# KiCad board data-center-rdimm-ddr5-tester.kicad_pcb (continued)
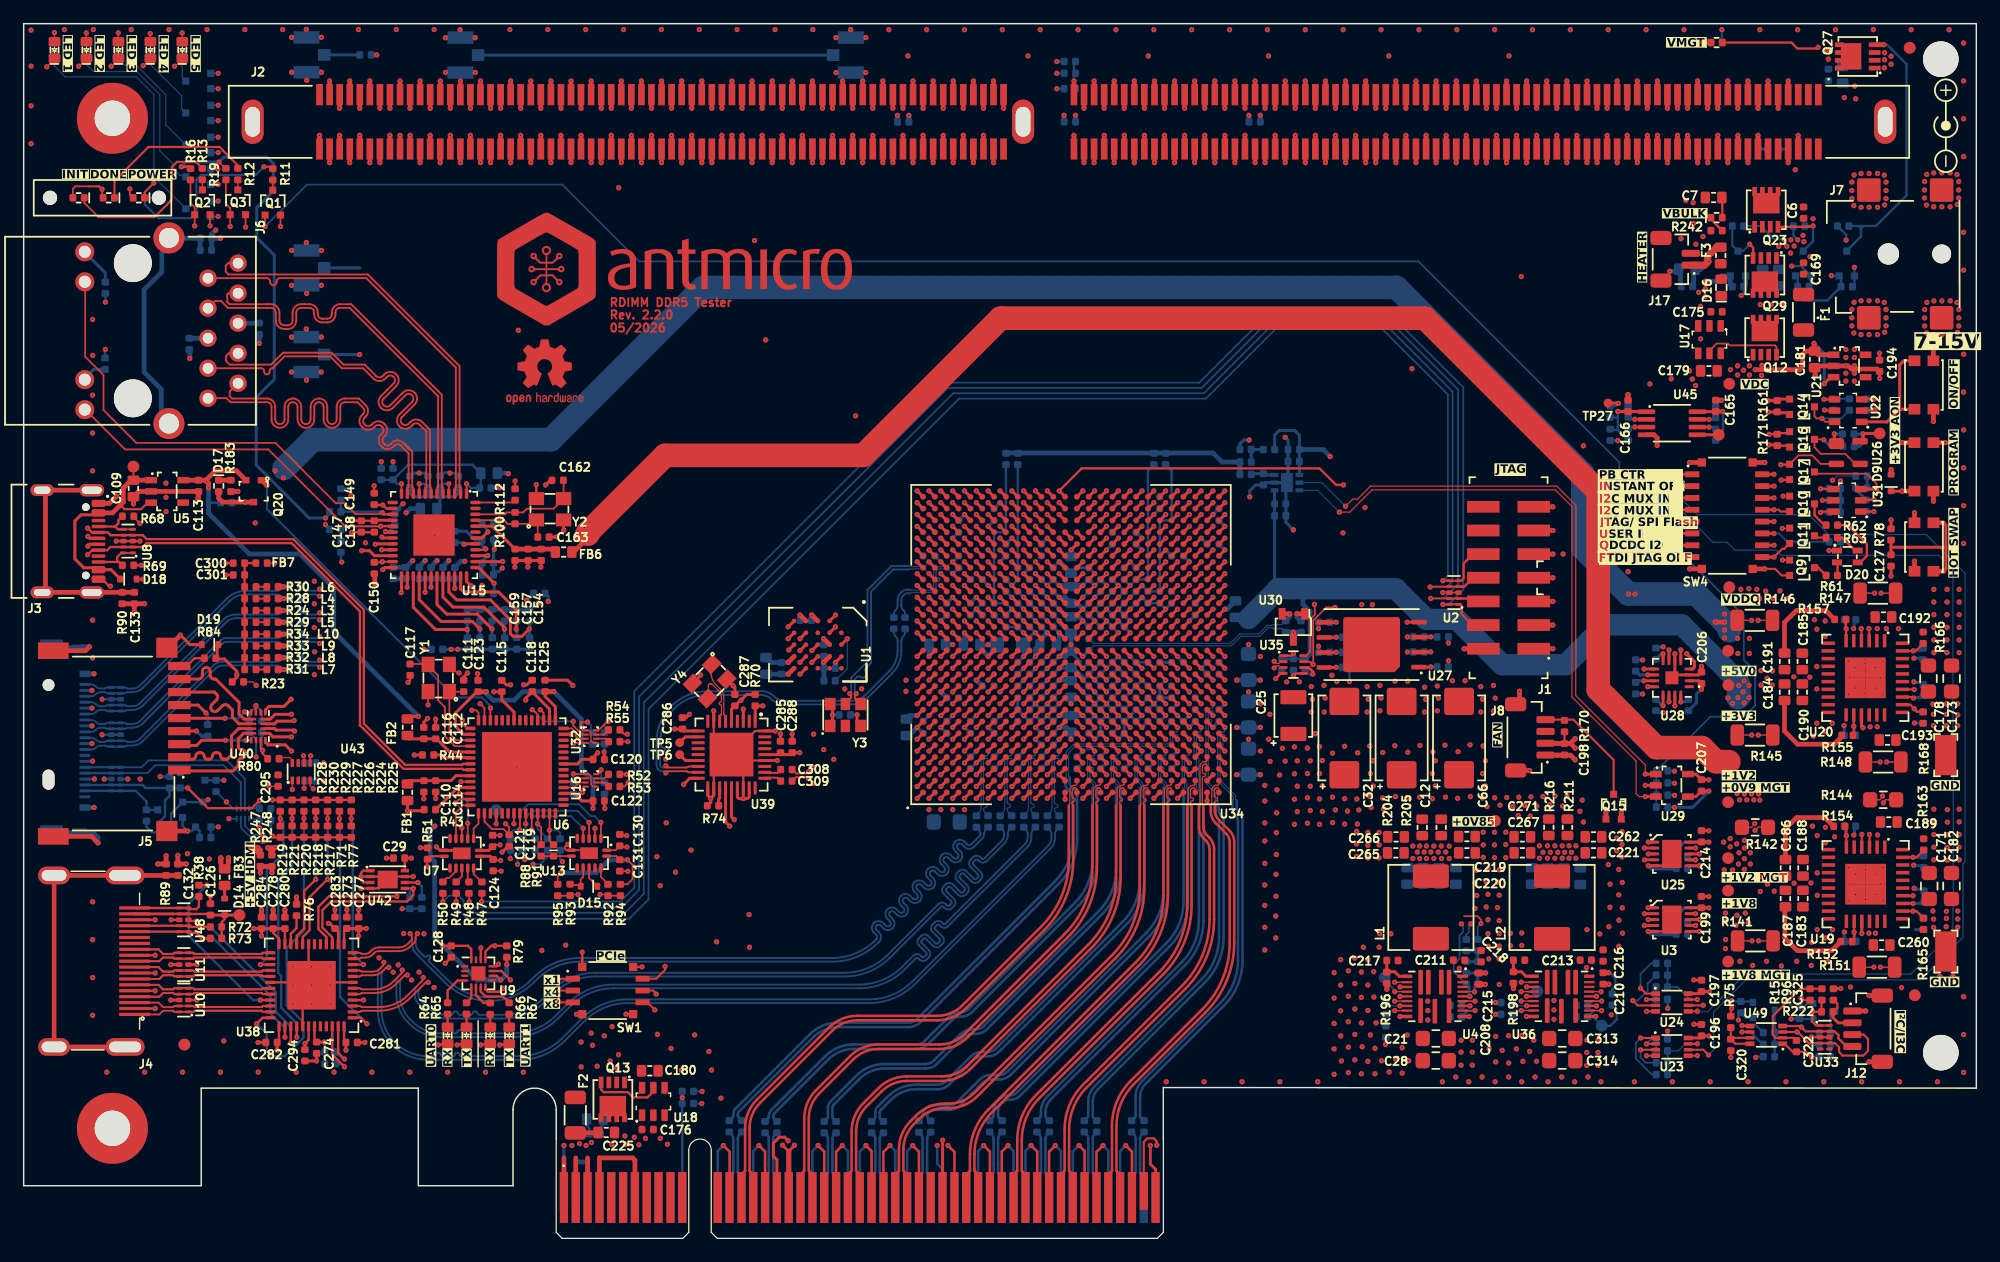
[diagram p0: board, top side]
## Routing (per net, layer and track width the routed paths; a pad name or vN(x,y) marks a point on that pad's centre or on a via; arc(x,y) is an arc through that point) (continued)
/FPGA MGT Interface/HDMI_IN_CLK_C_N: length 82.8
  Top w0.256: v1(86.5,42.2) U34.M6
  In4.Cu w0.1: v1(25.01,48.29) 25.08,48.36 arc(25.1,48.38) 25.12,48.4 arc(25.14,48.42) 25.17,48.43 25.22,48.45 arc(25.25,48.46) 25.28,48.46 arc(25.31,48.46) 25.34,48.46 41.28,48.46 arc(41.4,48.46) 41.51,48.46 arc(41.62,48.46) 41.74,48.45 41.85,48.44 arc(42.08,48.42) 42.3,48.38 arc(42.53,48.34) 42.75,48.28 arc(42.97,48.22) 43.18,48.15 arc(43.39,48.07) 43.6,47.97 arc(43.81,47.87) 44,47.76 arc(44.2,47.65) 44.39,47.52 arc(44.57,47.38) 44.75,47.24 44.84,47.17 arc(44.92,47.09) 45,47.02 arc(45.09,46.94) 45.17,46.86 58.27,33.75 arc(58.35,33.67) 58.44,33.59 arc(58.53,33.5) 58.62,33.43 58.71,33.35 arc(58.89,33.2) 59.08,33.06 arc(59.28,32.93) 59.48,32.81 arc(59.69,32.69) 59.9,32.59 arc(60.12,32.49) 60.34,32.41 arc(60.57,32.33) 60.79,32.26 arc(61.02,32.21) 61.26,32.16 arc(61.49,32.12) 61.73,32.1 61.85,32.09 arc(61.96,32.08) 62.08,32.08 arc(62.2,32.08) 62.32,32.07 66.43,32.07 arc(66.52,32.07) 66.62,32.07 arc(66.71,32.07) 66.8,32.06 66.89,32.06 arc(67.06,32.03) 67.24,32 arc(67.42,31.96) 67.59,31.91 arc(67.76,31.86) 67.93,31.79 arc(68.1,31.72) 68.26,31.64 arc(68.41,31.55) 68.57,31.45 arc(68.71,31.35) 68.86,31.24 68.93,31.18 arc(68.99,31.12) 69.06,31.06 69.09,31.03 arc(69.13,31) 69.16,30.96 arc(69.2,30.93) 69.24,30.89 69.27,30.86 arc(69.34,30.79) 69.41,30.73 69.49,30.67 arc(69.64,30.55) 69.79,30.44 arc(69.96,30.34) 70.12,30.24 arc(70.3,30.15) 70.47,30.08 arc(70.65,30.01) 70.84,29.95 arc(71.02,29.89) 71.21,29.85 arc(71.4,29.82) 71.59,29.8 71.69,29.79 arc(71.78,29.78) 71.88,29.78 arc(71.97,29.78) 72.07,29.77 81,29.77 arc(83.08,30.19) 84.85,31.37 85.53,32.06 arc(86.71,33.82) 87.13,35.9 87.13,41.19 arc(87.08,41.44) 86.94,41.64 86.83,41.75 arc(86.75,41.81) 86.65,41.82 86.51,41.82 arc(86.36,41.85) 86.24,41.94 86.16,42.01 arc(86.14,42.05) 86.13,42.1 86.13,42.11 arc(86.13,42.12) 86.12,42.12 86.12,42.19 arc(86.15,42.34) 86.24,42.46 86.31,42.54 arc(86.35,42.57) 86.4,42.57 86.41,42.57 arc(86.45,42.57) 86.48,42.55 arc(86.49,42.53) 86.5,42.51 v1(86.5,42.2)
  Bottom w0.16: C291.1 23.6,48.26 arc(23.79,48.39) 24.02,48.43 24.76,48.43 arc(24.86,48.42) 24.94,48.36 v1(25.01,48.29)
/FPGA MGT Interface/HDMI_IN_CLK_C_P: length 82.8
  Top w0.256: v1(86.5,43.2) U34.M7
  In4.Cu w0.1: v1(86.5,43.2) 86.5,42.91 arc(86.49,42.88) 86.48,42.85 arc(86.45,42.83) 86.41,42.82 86.35,42.82 arc(86.25,42.81) 86.17,42.75 86.06,42.64 arc(85.92,42.44) 85.88,42.19 85.88,42.12 arc(85.88,42.12) 85.88,42.11 arc(85.91,41.96) 86,41.82 86.06,41.76 arc(86.27,41.62) 86.51,41.57 86.6,41.57 arc(86.65,41.57) 86.69,41.54 86.76,41.46 arc(86.85,41.34) 86.88,41.19 86.88,35.9 arc(86.48,33.92) 85.36,32.23 84.66,31.54 arc(82.99,30.42) 81.01,30.02 72.07,30.02 arc(71.98,30.03) 71.89,30.03 arc(71.8,30.03) 71.71,30.04 71.62,30.04 arc(71.44,30.07) 71.26,30.1 arc(71.08,30.14) 70.91,30.19 arc(70.74,30.24) 70.57,30.31 arc(70.4,30.38) 70.24,30.46 arc(70.08,30.55) 69.93,30.65 arc(69.78,30.75) 69.64,30.87 69.57,30.92 arc(69.5,30.98) 69.43,31.04 69.4,31.07 arc(69.37,31.11) 69.34,31.14 arc(69.3,31.17) 69.27,31.21 69.23,31.24 arc(69.16,31.31) 69.09,31.37 69.01,31.43 arc(68.86,31.55) 68.71,31.66 arc(68.54,31.76) 68.38,31.86 arc(68.2,31.95) 68.03,32.02 arc(67.85,32.09) 67.66,32.15 arc(67.48,32.21) 67.29,32.25 arc(67.1,32.28) 66.91,32.3 66.81,32.31 arc(66.72,32.32) 66.62,32.32 arc(66.53,32.32) 66.43,32.32 62.3,32.32 arc(62.19,32.33) 62.08,32.33 arc(61.96,32.33) 61.85,32.34 61.74,32.35 arc(61.52,32.37) 61.29,32.41 arc(61.07,32.45) 60.85,32.5 arc(60.64,32.57) 60.43,32.64 arc(60.22,32.72) 60.01,32.81 arc(59.81,32.91) 59.61,33.02 arc(59.42,33.13) 59.23,33.26 arc(59.05,33.39) 58.87,33.53 58.79,33.61 arc(58.7,33.68) 58.62,33.76 arc(58.54,33.84) 58.46,33.92 45.34,47.04 arc(45.26,47.12) 45.17,47.2 arc(45.08,47.29) 44.99,47.36 44.9,47.44 arc(44.72,47.59) 44.53,47.73 arc(44.33,47.86) 44.13,47.98 arc(43.92,48.1) 43.71,48.2 arc(43.49,48.3) 43.27,48.38 arc(43.04,48.46) 42.82,48.53 arc(42.59,48.58) 42.35,48.63 arc(42.12,48.67) 41.88,48.69 41.76,48.7 arc(41.65,48.71) 41.53,48.71 arc(41.41,48.71) 41.29,48.71 25.34,48.71 arc(25.31,48.72) 25.28,48.72 arc(25.25,48.72) 25.22,48.73 25.17,48.75 arc(25.14,48.76) 25.12,48.78 arc(25.1,48.8) 25.08,48.82 v1(25.01,48.89)
  Bottom w0.16: C289.1 23.6,48.92 arc(23.79,48.79) 24.02,48.75 24.76,48.75 arc(24.86,48.76) 24.94,48.82 v1(25.01,48.89)
/FPGA MGT Interface/HDMI_OUT.CLK_N: length 74
  Top w0.16: U38.12 28.37,24.15 arc(28.43,24.13) 28.49,24.1 arc(28.54,24.06) 28.6,24.05 28.88,24.05 arc(29.08,24.09) 29.26,24.21 29.37,24.32 arc(29.68,24.53) 30.03,24.6 31.7,24.6 arc(32.12,24.68) 32.48,24.92 32.8,25.25 32.8,25.41 arc(32.77,25.6) v1(32.66,25.76)
  Bottom w0.16: C245.1 81.49,34.76 arc(81.49,34.75) 81.48,34.74 81.32,34.57 arc(81.2,34.39) 81.16,34.18 arc(81.11,33.97) 80.99,33.8 80.29,33.1 arc(79.9,32.93) 79.5,33.1 79.28,33.32 arc(79.1,33.39) 78.93,33.32 arc(78.85,33.14) 78.93,32.96 79.15,32.74 arc(79.31,32.35) 79.15,31.95 arc(78.75,31.79) 78.36,31.95 78.14,32.17 arc(77.96,32.24) 77.78,32.17 arc(77.71,31.99) 77.78,31.82 78,31.6 arc(78.17,31.2) 78,30.8 arc(77.61,30.64) 77.21,30.8 76.99,31.03 arc(76.81,31.1) 76.64,31.03 arc(76.56,30.85) 76.64,30.67 76.86,30.45 arc(77.02,30.05) 76.86,29.66 arc(76.46,29.49) 76.07,29.66 75.84,29.88 arc(75.67,29.95) 75.49,29.88 arc(75.42,29.7) 75.49,29.53 75.71,29.31 arc(75.88,28.91) 75.71,28.51 arc(75.32,28.35) 74.92,28.51 74.7,28.73 arc(74.52,28.81) 74.35,28.73 arc(74.27,28.56) 74.35,28.38 74.57,28.16 arc(74.73,27.76) 74.57,27.37 arc(74.17,27.2) 73.78,27.37 73.55,27.59 arc(73.38,27.66) 73.2,27.59 arc(73.13,27.41) 73.2,27.24 73.42,27.01 arc(73.59,26.62) 73.42,26.22 arc(73.03,26.06) 72.63,26.22 72.41,26.44 arc(72.23,26.52) 72.05,26.44 arc(71.98,26.27) 72.05,26.09 72.28,25.87 arc(72.44,25.47) 72.28,25.08 72.19,24.99 arc(70.42,23.81) 68.34,23.39 46.98,23.39 arc(45.03,23.01) 43.37,21.9 43.1,21.63 arc(41.38,20.48) 39.35,20.07 arc(37.32,20.48) 35.6,21.63 33.23,24 arc(32.91,24.47) 32.8,25.02 32.8,25.41 arc(32.77,25.6) v1(32.66,25.76)
/FPGA MGT Interface/HDMI_OUT.CLK_P: length 74
  Top w0.16: U38.11 28.37,23.65 arc(28.43,23.66) 28.49,23.69 arc(28.54,23.73) 28.6,23.74 28.88,23.74 arc(29.2,23.81) 29.48,23.99 29.59,24.1 arc(29.79,24.24) 30.03,24.29 31.7,24.29 arc(32.24,24.39) 32.7,24.7 33.03,25.03 arc(33.09,25.13) 33.12,25.24 33.12,25.41 arc(33.15,25.6) v1(33.26,25.76)
  Bottom w0.16: C244.1 80.51,34.76 arc(80.51,34.75) 80.52,34.74 80.73,34.53 arc(80.82,34.4) 80.85,34.25 80.85,34.18 arc(80.83,34.09) 80.78,34.02 80.08,33.31 arc(79.9,33.24) 79.72,33.31 79.5,33.54 arc(79.1,33.7) 78.71,33.54 arc(78.54,33.14) 78.71,32.74 78.93,32.52 arc(79,32.35) 78.93,32.17 arc(78.75,32.1) 78.58,32.17 78.35,32.39 arc(77.96,32.55) 77.56,32.39 arc(77.4,31.99) 77.56,31.6 77.78,31.38 arc(77.86,31.2) 77.78,31.02 arc(77.61,30.95) 77.43,31.02 77.21,31.25 arc(76.81,31.41) 76.42,31.25 arc(76.25,30.85) 76.42,30.45 76.64,30.23 arc(76.71,30.05) 76.64,29.88 arc(76.46,29.8) 76.29,29.88 76.06,30.1 arc(75.67,30.26) 75.27,30.1 arc(75.11,29.7) 75.27,29.31 75.49,29.09 arc(75.57,28.91) 75.49,28.73 arc(75.32,28.66) 75.14,28.73 74.92,28.95 arc(74.52,29.12) 74.13,28.95 arc(73.96,28.56) 74.13,28.16 74.35,27.94 arc(74.42,27.76) 74.35,27.59 arc(74.17,27.51) 73.99,27.59 73.77,27.81 arc(73.38,27.97) 72.98,27.81 arc(72.82,27.41) 72.98,27.02 73.2,26.8 arc(73.28,26.62) 73.2,26.44 arc(73.03,26.37) 72.85,26.44 72.63,26.66 arc(72.23,26.83) 71.84,26.66 arc(71.67,26.27) 71.84,25.87 72.06,25.65 arc(72.13,25.47) 72.06,25.3 71.97,25.21 arc(70.3,24.1) 68.34,23.7 46.99,23.7 arc(44.91,23.29) 43.14,22.11 42.88,21.85 arc(41.26,20.76) 39.35,20.38 arc(37.44,20.76) 35.82,21.85 34.27,23.4 arc(34.23,23.51) 34.27,23.62 34.32,23.66 arc(34.36,23.77) 34.32,23.88 arc(34.21,23.92) 34.1,23.88 34.05,23.83 arc(33.94,23.79) 33.83,23.83 33.45,24.22 arc(33.2,24.59) 33.12,25.02 33.12,25.41 arc(33.15,25.6) v1(33.26,25.76)
/FPGA MGT Interface/HDMI_OUT.D0_N: length 75.2
  Top w0.16: U38.9 28.37,22.65 arc(28.43,22.63) 28.49,22.6 arc(28.54,22.56) 28.6,22.55 29.51,22.55 arc(29.83,22.62) 30.09,22.8 30.36,23.06 arc(30.41,23.14) 30.43,23.23 v1(30.43,23.34)
  Bottom w0.16: C276.1 87.32,34.6 arc(87.2,34.42) 87.16,34.2 87.16,33.89 arc(87.05,33.39) 86.77,32.96 75.3,21.49 arc(73.53,20.31) 71.45,19.89 51.04,19.89 arc(49.08,19.5) 47.41,18.39 45.71,16.69 arc(43.94,15.51) 41.86,15.09 34.14,15.09 arc(32.53,15.42) 31.16,16.33 arc(30.25,17.7) 29.93,19.31 29.93,22.27 arc(29.99,22.6) 30.18,22.88 30.36,23.06 arc(30.41,23.14) 30.43,23.23 v1(30.43,23.34)
/FPGA MGT Interface/HDMI_OUT.D0_P: length 75.2
  Top w0.16: v1(30.86,22.91) 30.75,22.91 arc(30.66,22.89) 30.58,22.84 30.31,22.58 arc(29.94,22.33) 29.51,22.24 28.6,22.24 arc(28.54,22.23) 28.49,22.19 arc(28.43,22.16) 28.37,22.15 U38.8
  Bottom w0.16: C275.1 86.68,34.6 arc(86.8,34.42) 86.85,34.2 86.85,33.89 arc(86.77,33.51) 86.55,33.18 75.08,21.71 arc(73.41,20.6) 71.45,20.2 51.04,20.2 arc(48.96,19.79) 47.19,18.61 45.5,16.92 arc(43.82,15.8) 41.85,15.41 36.98,15.41 arc(36.88,15.45) 36.84,15.55 arc(36.8,15.65) 36.7,15.69 36.58,15.69 arc(36.48,15.65) 36.44,15.55 arc(36.4,15.45) 36.3,15.41 36.18,15.41 arc(36.08,15.45) 36.04,15.55 arc(36,15.65) 35.9,15.69 35.78,15.69 arc(35.68,15.65) 35.64,15.55 arc(35.6,15.45) 35.5,15.41 35.38,15.41 arc(35.28,15.45) 35.24,15.55 arc(35.2,15.65) 35.1,15.69 34.98,15.69 arc(34.88,15.65) 34.84,15.55 arc(34.8,15.45) 34.7,15.41 34.14,15.41 arc(32.65,15.7) 31.38,16.55 arc(30.53,17.82) 30.24,19.31 30.24,22.27 arc(30.28,22.48) 30.4,22.66 30.58,22.84 arc(30.66,22.89) 30.75,22.91 v1(30.86,22.91)
/FPGA MGT Interface/HDMI_OUT.D1_N: length 74.8
  Top w0.16: U38.6 28.37,21.15 arc(28.43,21.13) 28.49,21.1 arc(28.54,21.06) 28.6,21.05 29.63,21.05 arc(30.5,21.23) 31.24,21.72 31.93,22.41 arc(31.98,22.49) 32,22.58 v1(32,22.68)
  Bottom w0.16: C290.1 85.32,34.6 arc(85.2,34.42) 85.16,34.2 85.16,33.94 arc(85.06,33.47) 84.8,33.08 78.1,26.38 arc(77.79,26.25) 77.48,26.38 77.37,26.49 arc(77.29,26.53) 77.2,26.49 77.02,26.31 arc(76.98,26.22) 77.02,26.13 77.63,25.52 arc(77.76,25.21) 77.63,24.9 77.46,24.73 arc(77.15,24.6) 76.84,24.73 76.23,25.34 arc(76.14,25.38) 76.05,25.34 75.87,25.17 arc(75.83,25.08) 75.87,24.99 76.49,24.37 arc(76.62,24.06) 76.49,23.76 76.31,23.58 arc(76,23.45) 75.7,23.58 75.59,23.69 arc(75.5,23.73) 75.41,23.69 74.46,22.74 arc(72.69,21.56) 70.61,21.14 49.84,21.14 arc(47.88,20.75) 46.21,19.64 45.19,18.62 arc(43.42,17.44) 41.34,17.02 35.27,17.02 arc(33.82,17.31) 32.6,18.13 32.46,18.27 arc(31.75,19.34) 31.5,20.61 31.5,21.62 arc(31.56,21.95) 31.75,22.23 31.93,22.41 arc(31.98,22.49) 32,22.58 v1(32,22.68)
/FPGA MGT Interface/HDMI_OUT.D1_P: length 74.8
  Top w0.16: v1(32.42,22.26) 32.32,22.26 arc(32.22,22.24) 32.14,22.19 31.46,21.5 arc(30.62,20.94) 29.63,20.74 28.6,20.74 arc(28.54,20.73) 28.49,20.69 arc(28.43,20.66) 28.37,20.65 U38.5
  Bottom w0.16: C279.1 84.68,34.6 arc(84.8,34.42) 84.85,34.2 84.85,33.94 arc(84.78,33.59) 84.58,33.3 77.88,26.6 arc(77.79,26.56) 77.7,26.6 77.59,26.71 arc(77.29,26.84) 76.98,26.71 76.8,26.53 arc(76.67,26.22) 76.8,25.91 77.41,25.3 arc(77.45,25.21) 77.41,25.12 77.24,24.94 arc(77.15,24.91) 77.06,24.94 76.44,25.56 arc(76.14,25.69) 75.83,25.56 75.65,25.39 arc(75.52,25.08) 75.65,24.77 76.27,24.15 arc(76.31,24.06) 76.27,23.98 76.09,23.8 arc(76,23.76) 75.91,23.8 75.81,23.91 arc(75.5,24.04) 75.19,23.91 74.24,22.96 arc(72.57,21.85) 70.61,21.45 49.84,21.45 arc(47.76,21.04) 45.99,19.86 44.97,18.84 arc(43.3,17.73) 41.34,17.33 37.88,17.33 arc(37.78,17.38) 37.74,17.48 arc(37.7,17.58) 37.6,17.62 37.52,17.62 arc(37.42,17.58) 37.38,17.48 arc(37.34,17.38) 37.24,17.33 37.16,17.33 arc(37.06,17.38) 37.02,17.48 arc(36.98,17.58) 36.88,17.62 36.8,17.62 arc(36.7,17.58) 36.66,17.48 arc(36.62,17.38) 36.52,17.33 36.44,17.33 arc(36.34,17.38) 36.3,17.48 arc(36.26,17.58) 36.16,17.62 36.08,17.62 arc(35.98,17.58) 35.94,17.48 arc(35.9,17.38) 35.8,17.33 35.27,17.33 arc(33.94,17.6) 32.82,18.35 32.68,18.49 arc(32.03,19.46) 31.81,20.61 31.81,21.63 arc(31.85,21.83) 31.96,22 32.14,22.19 arc(32.22,22.24) 32.32,22.26 v1(32.42,22.26)
/FPGA MGT Interface/HDMI_OUT.D2_N: length 73.6
  Top w0.16: v1(33.76,22.06) 33.76,21.96 arc(33.74,21.87) 33.69,21.79 32.44,20.54 arc(31.35,19.81) 30.06,19.55 28.6,19.55 arc(28.54,19.56) 28.49,19.6 arc(28.43,19.63) 28.37,19.65 U38.3
  Bottom w0.16: v1(33.76,22.06) 33.76,21.96 arc(33.74,21.87) 33.69,21.79 33.38,21.48 arc(33.12,21.1) 33.03,20.65 arc(33.12,20.2) 33.38,19.82 33.83,19.38 arc(34.7,18.79) 35.73,18.58 40.4,18.58 arc(42.48,19) 44.25,20.18 44.71,20.64 arc(46.38,21.75) 48.35,22.14 69.37,22.14 arc(71.45,22.56) 73.22,23.74 77.52,28.04 arc(77.61,28.08) 77.71,28.04 77.82,27.93 arc(78.13,27.8) 78.44,27.93 78.6,28.08 arc(78.73,28.4) 78.6,28.71 77.97,29.35 arc(77.92,29.45) 77.97,29.55 78.11,29.69 arc(78.21,29.74) 78.31,29.69 78.95,29.05 arc(79.27,28.92) 79.6,29.05 79.74,29.2 arc(79.87,29.52) 79.74,29.84 79.1,30.48 arc(79.06,30.58) 79.1,30.68 79.24,30.83 arc(79.34,30.87) 79.44,30.83 80.09,30.18 arc(80.41,30.05) 80.73,30.18 80.87,30.33 arc(81,30.65) 80.87,30.97 80.24,31.6 arc(80.2,31.7) 80.24,31.79 80.44,32 arc(80.54,32.04) 80.63,32 80.74,31.89 arc(81.06,31.76) 81.37,31.89 82.89,33.41 arc(83.09,33.7) 83.16,34.06 83.16,34.2 arc(83.2,34.42) 83.32,34.6 C293.1
/FPGA MGT Interface/HDMI_OUT.D2_P: length 73.6
  Top w0.16: v1(34.18,21.64) 34.08,21.64 arc(33.98,21.62) 33.9,21.57 32.66,20.32 arc(31.46,19.52) 30.06,19.24 28.6,19.24 arc(28.54,19.23) 28.49,19.19 arc(28.43,19.16) 28.37,19.15 U38.2
  Bottom w0.16: C292.1 82.68,34.6 arc(82.8,34.42) 82.85,34.2 82.85,34.02 arc(82.8,33.82) 82.69,33.65 81.15,32.11 arc(81.06,32.07) 80.96,32.11 80.85,32.22 arc(80.54,32.35) 80.22,32.22 80.02,32.01 arc(79.89,31.7) 80.02,31.38 80.65,30.75 arc(80.69,30.65) 80.65,30.55 80.51,30.4 arc(80.41,30.36) 80.3,30.4 79.66,31.04 arc(79.34,31.18) 79.02,31.04 78.88,30.9 arc(78.75,30.58) 78.88,30.26 79.52,29.62 arc(79.56,29.52) 79.52,29.41 79.38,29.27 arc(79.27,29.23) 79.17,29.27 78.53,29.91 arc(78.21,30.05) 77.89,29.91 77.75,29.77 arc(77.61,29.45) 77.75,29.13 78.38,28.49 arc(78.42,28.4) 78.38,28.3 78.22,28.15 arc(78.13,28.11) 78.03,28.15 77.93,28.26 arc(77.61,28.39) 77.3,28.26 75.87,26.83 73,23.96 arc(71.33,22.85) 69.36,22.45 48.34,22.45 arc(46.26,22.04) 44.49,20.86 44.04,20.41 arc(42.36,19.29) 40.38,18.89 38.48,18.89 arc(38.38,18.94) 38.34,19.04 arc(38.3,19.14) 38.2,19.18 38.07,19.18 arc(37.97,19.14) 37.93,19.04 arc(37.89,18.94) 37.79,18.89 37.66,18.89 arc(37.56,18.94) 37.52,19.04 arc(37.48,19.14) 37.38,19.18 37.25,19.18 arc(37.15,19.14) 37.11,19.04 arc(37.07,18.94) 36.97,18.89 36.84,18.89 arc(36.74,18.94) 36.7,19.04 arc(36.66,19.14) 36.56,19.18 36.43,19.18 arc(36.33,19.14) 36.29,19.04 arc(36.25,18.94) 36.15,18.89 35.73,18.89 arc(34.82,19.08) 34.04,19.59 33.6,20.04 arc(33.41,20.32) 33.34,20.65 arc(33.41,20.98) 33.6,21.26 33.9,21.57 arc(33.98,21.62) 34.08,21.64 v1(34.18,21.64)
/FPGA MGT Interface/HDMI_REC_CLK_C_N: length 33
  Top w0.16: v1(54.26,39.35) 54.33,39.42 arc(54.41,39.48) 54.51,39.49 56.01,39.49 arc(56.07,39.48) 56.12,39.45 arc(56.18,39.41) 56.24,39.4 U39.17
  Bottom w0.16: v1(54.26,39.35) 54.19,39.42 arc(54.11,39.48) 54.01,39.49 53.95,39.49 arc(53.8,39.53) 53.67,39.61 53.63,39.65 arc(53.51,39.83) 53.47,40.03 53.47,41.96 arc(53.8,43.61) 54.73,45 arc(56.12,45.93) 57.76,46.25 62.4,46.25 arc(62.92,46.15) 63.36,45.85 arc(63.81,45.56) 64.33,45.45 69.92,45.45 arc(70.58,45.59) 71.14,45.96 73.12,47.94 arc(73.66,48.75) 73.85,49.7 73.85,50.5 arc(73.81,50.71) 73.69,50.89 arc(73.57,51.07) 73.53,51.28 C316.2
/FPGA MGT Interface/HDMI_REC_CLK_C_P: length 33
  Top w0.16: v1(54.26,39.95) 54.33,39.88 arc(54.41,39.82) 54.51,39.81 56.01,39.81 arc(56.07,39.82) 56.12,39.85 arc(56.18,39.89) 56.24,39.9 U39.16
  Bottom w0.16: v1(54.26,39.95) 54.19,39.88 arc(54.11,39.82) 54.01,39.81 54.01,39.81 arc(53.92,39.82) 53.85,39.87 arc(53.8,39.95) 53.78,40.03 53.78,40.9 arc(53.84,41.04) 53.99,41.1 53.99,41.1 arc(54.14,41.17) 54.2,41.31 arc(54.14,41.45) 53.99,41.51 53.99,41.51 arc(53.84,41.58) 53.78,41.72 53.78,41.96 arc(54.08,43.49) 54.95,44.78 arc(56.24,45.64) 57.76,45.94 62.27,45.94 arc(62.79,45.84) 63.24,45.54 arc(63.68,45.25) 64.2,45.14 69.94,45.14 arc(70.7,45.3) 71.35,45.73 73.39,47.77 arc(73.96,48.62) 74.16,49.64 74.16,50.5 arc(74.2,50.71) 74.32,50.89 arc(74.44,51.07) 74.48,51.28 C315.2
/FPGA MGT Interface/HDMI_SI5319_C_CLK_N: length 1.5
  Top w0.16: 62.62,39.35 63.69,39.35 C308.1
/FPGA MGT Interface/HDMI_SI5319_C_CLK_P: length 1.5
  Top w0.16: 62.62,38.95 63.69,38.95 C309.1
/FPGA MGT Interface/HDMI_SI5319_CLK_N: length 29.3
  Top w0.16: C308.2 64.96,39.64 65.28,39.31 66.17,39.31 v1(66.32,39.45)
  Top w0.256: U34.P6 v1(89.5,42.2)
  In6.Cu w0.1: v1(66.32,39.45) 66.12,39.25 66.04,39.25 65.8,39.49 65.8,40.41 65.98,40.59 arc(66.18,40.67) 66.38,40.59 66.39,40.58 arc(66.55,40.51) 66.71,40.58 arc(66.78,40.74) 66.71,40.89 66.66,40.95 arc(66.59,41.11) 66.66,41.27 67.99,42.6 89.1,42.6 v1(89.5,42.2)
/FPGA MGT Interface/HDMI_SI5319_CLK_P: length 29.3
  Top w0.16: C309.2 64.96,38.67 65.28,39 66.17,38.99 v1(66.32,38.85)
  Top w0.256: U34.P7 v1(89.5,43.2)
  In6.Cu w0.1: v1(89.5,43.2) 89.1,42.8 67.91,42.8 65.6,40.49 65.6,39.41 65.96,39.05 66.12,39.05 v1(66.32,38.85)
/FPGA MGT Interface/PCIE.CLK_N: length 5.8
  Bottom w0.22: 60.67,8.99 60.51,8.83 arc(60.39,8.64) 60.34,8.42 60.34,5.56 60.65,5.25 60.65,3.45
/FPGA MGT Interface/PCIE.CLK_P: length 5.8
  Bottom w0.22: 59.65,3.45 59.65,5.25 59.96,5.56 59.96,8.42 arc(59.92,8.64) 59.79,8.82 C258.2
/FPGA MGT Interface/PCIE.RXD0_N: length 51.8
  Top w0.1: 88.69,36.6 88.63,36.66 arc(88.61,36.69) 88.6,36.73 88.6,36.82 arc(88.64,36.91) 88.72,36.95 88.74,36.95 arc(88.83,36.99) 88.87,37.07 arc(88.83,37.16) 88.74,37.2 88.72,37.2 arc(88.64,37.24) 88.6,37.32 88.6,37.92 arc(88.61,37.96) 88.63,37.99 88.71,38.07 arc(88.74,38.09) 88.78,38.1 88.86,38.1 arc(88.9,38.09) 88.93,38.07 88.97,38.03 arc(88.99,38) 89,37.96 U34.P1
  Top w0.22: 88.69,36.6 88.69,31.99 arc(88.05,28.79) 86.24,26.07 79.59,19.42 arc(78.5,18.69) 77.2,18.44 70.45,18.44 arc(69.3,18.21) 68.33,17.56 62.22,11.45 arc(61.57,10.48) 61.34,9.33 61.34,5.71 61.65,5.4 J10.B15
/FPGA MGT Interface/PCIE.RXD0_P: length 51.8
  Top w0.1: 88.31,36.6 88.37,36.66 arc(88.39,36.69) 88.4,36.73 88.4,37.96 arc(88.42,38.04) 88.46,38.1 88.6,38.24 arc(88.66,38.28) 88.74,38.3 88.86,38.3 arc(88.9,38.31) 88.93,38.33 88.97,38.37 arc(88.99,38.4) 89,38.44 U34.P2
  Top w0.22: 88.31,36.6 88.31,31.99 arc(87.7,28.93) 85.97,26.34 79.32,19.69 arc(78.35,19.04) 77.2,18.81 70.45,18.81 arc(69.15,18.56) 68.06,17.83 61.95,11.72 arc(61.22,10.62) 60.96,9.33 60.96,5.71 60.65,5.4 J10.B14
/FPGA MGT Interface/PCIE.RXD1_N: length 49.6
  Top w0.1: U34.T1 91,37.96 arc(90.99,38) 90.97,38.03 90.93,38.07 arc(90.9,38.09) 90.86,38.1 90.78,38.1 arc(90.74,38.09) 90.71,38.07 90.63,37.99 arc(90.61,37.96) 90.6,37.92 90.6,37.32 arc(90.64,37.24) 90.72,37.2 90.73,37.2 arc(90.82,37.16) 90.86,37.07 arc(90.82,36.99) 90.73,36.95 90.72,36.95 arc(90.64,36.91) 90.6,36.82 90.6,36.73 arc(90.61,36.69) 90.63,36.66 90.69,36.6
  Top w0.22: J10.B20 66.65,5.4 66.34,5.71 66.34,10.13 arc(66.57,11.28) 67.22,12.25 70.1,15.13 arc(71.07,15.78) 72.22,16.01 77.38,16.01 arc(78.67,16.27) 79.77,17 88.24,25.47 arc(90.05,28.19) 90.69,31.39 90.69,36.6
/FPGA MGT Interface/PCIE.RXD1_P: length 49.7
  Top w0.1: 90.31,36.6 90.37,36.66 arc(90.39,36.69) 90.4,36.73 90.4,37.96 arc(90.42,38.04) 90.46,38.1 90.6,38.24 arc(90.66,38.28) 90.74,38.3 90.86,38.3 arc(90.9,38.31) 90.93,38.33 90.97,38.37 arc(90.99,38.4) 91,38.44 U34.T2
  Top w0.22: J10.B19 65.65,5.4 65.96,5.71 65.96,10.13 arc(66.22,11.42) 66.95,12.52 69.83,15.4 arc(70.93,16.13) 72.22,16.39 77.38,16.39 arc(78.53,16.62) 79.5,17.27 87.97,25.74 arc(89.7,28.33) 90.31,31.39 90.31,36.6
/FPGA MGT Interface/PCIE.RXD2_N: length 47.5
  Top w0.1: 92.69,36.6 92.63,36.66 arc(92.61,36.69) 92.6,36.73 92.6,36.85 arc(92.64,36.94) 92.72,36.97 92.74,36.97 arc(92.83,37.01) 92.86,37.1 arc(92.83,37.19) 92.74,37.22 92.72,37.22 arc(92.64,37.26) 92.6,37.35 92.6,37.92 arc(92.61,37.96) 92.63,37.99 92.71,38.07 arc(92.74,38.09) 92.78,38.1 92.86,38.1 arc(92.9,38.09) 92.93,38.07 92.97,38.03 arc(92.99,38) 93,37.96 U34.V1
  Top w0.22: 92.69,36.6 92.69,30.49 arc(92.05,27.29) 90.24,24.57 79.97,14.3 arc(78.87,13.57) 77.58,13.31 74.62,13.31 arc(73.47,13.08) 72.5,12.43 71.22,11.15 arc(70.57,10.18) 70.34,9.03 70.34,5.71 70.65,5.4 J10.B24
/FPGA MGT Interface/PCIE.RXD2_P: length 47.5
  Top w0.1: U34.V2 93,38.44 arc(92.99,38.4) 92.97,38.37 92.93,38.33 arc(92.9,38.31) 92.86,38.3 92.74,38.3 arc(92.66,38.28) 92.6,38.24 92.46,38.1 arc(92.42,38.04) 92.4,37.96 92.4,36.73 arc(92.39,36.69) 92.37,36.66 92.31,36.6
  Top w0.22: J10.B23 69.65,5.4 69.96,5.71 69.96,9.03 arc(70.22,10.32) 70.95,11.42 72.23,12.7 arc(73.33,13.43) 74.62,13.69 77.58,13.69 arc(78.73,13.92) 79.7,14.57 89.97,24.84 arc(91.7,27.43) 92.31,30.49 92.31,36.6
/FPGA MGT Interface/PCIE.RXD3_N: length 45.2
  Top w0.1: U34.Y1 95,37.96 arc(94.99,38) 94.97,38.03 94.93,38.07 arc(94.9,38.09) 94.86,38.1 94.78,38.1 arc(94.74,38.09) 94.71,38.07 94.63,37.99 arc(94.61,37.96) 94.6,37.92 94.6,37.3 arc(94.64,37.21) 94.72,37.17 94.74,37.17 arc(94.83,37.14) 94.86,37.05 arc(94.83,36.96) 94.74,36.92 94.72,36.92 arc(94.64,36.89) 94.6,36.8 94.6,36.73 arc(94.61,36.69) 94.63,36.66 94.69,36.6
  Top w0.22: J10.B28 74.65,5.4 74.34,5.71 74.34,7.53 arc(74.57,8.68) 75.22,9.65 75.7,10.13 arc(76.67,10.78) 77.82,11.01 78.18,11.01 arc(79.47,11.27) 80.57,12 92.24,23.67 arc(94.05,26.39) 94.69,29.59 94.69,36.6
/FPGA MGT Interface/PCIE.RXD3_P: length 45.2
  Top w0.1: U34.Y2 95,38.44 arc(94.99,38.4) 94.97,38.37 94.93,38.33 arc(94.9,38.31) 94.86,38.3 94.74,38.3 arc(94.66,38.28) 94.6,38.24 94.46,38.1 arc(94.42,38.04) 94.4,37.96 94.4,36.73 arc(94.39,36.69) 94.37,36.66 94.31,36.6
  Top w0.22: 94.31,36.6 94.31,29.59 arc(93.7,26.53) 91.97,23.94 80.3,12.27 arc(79.33,11.62) 78.18,11.39 77.82,11.39 arc(76.53,11.13) 75.43,10.4 74.95,9.92 arc(74.22,8.82) 73.96,7.53 73.96,5.71 73.65,5.4 J10.B27
/FPGA MGT Interface/PCIE.RXD4_N: length 42
  Top w0.1: 96.69,36.6 96.63,36.66 arc(96.61,36.69) 96.6,36.73 96.6,36.82 arc(96.64,36.91) 96.72,36.95 96.74,36.95 arc(96.83,36.99) 96.87,37.07 arc(96.83,37.16) 96.74,37.2 96.72,37.2 arc(96.64,37.24) 96.6,37.32 96.6,37.92 arc(96.61,37.96) 96.63,37.99 96.71,38.07 arc(96.74,38.09) 96.78,38.1 96.86,38.1 arc(96.9,38.09) 96.93,38.07 96.97,38.03 arc(96.99,38) 97,37.96 U34.AB1
  Top w0.22: J10.B34 80.65,5.36 arc(80.64,5.4) 80.62,5.43 80.37,5.68 arc(80.35,5.71) 80.34,5.75 80.34,7.1 arc(80.72,9.01) 81.8,10.64 94.24,23.07 arc(96.05,25.79) 96.69,28.99 96.69,36.6
/FPGA MGT Interface/PCIE.RXD4_P: length 42
  Top w0.1: 96.31,36.6 96.37,36.66 arc(96.39,36.69) 96.4,36.73 96.4,37.96 arc(96.42,38.04) 96.46,38.1 96.6,38.24 arc(96.66,38.28) 96.74,38.3 96.86,38.3 arc(96.9,38.31) 96.93,38.33 96.97,38.37 arc(96.99,38.4) 97,38.44 U34.AB2
  Top w0.22: 96.31,36.6 96.31,28.99 arc(95.7,25.93) 93.97,23.34 81.54,10.9 arc(80.37,9.16) 79.96,7.1 79.96,5.71 79.65,5.4 J10.B33
/FPGA MGT Interface/PCIE.RXD5_N: length 41.1
  Top w0.1: U34.AD1 99,37.96 arc(98.99,38) 98.97,38.03 98.93,38.07 arc(98.9,38.09) 98.86,38.1 98.78,38.1 arc(98.74,38.09) 98.71,38.07 98.63,37.99 arc(98.61,37.96) 98.6,37.92 98.6,37.35 arc(98.64,37.26) 98.72,37.22 98.73,37.22 arc(98.82,37.19) 98.86,37.1 arc(98.82,37.01) 98.73,36.97 98.72,36.97 arc(98.64,36.94) 98.6,36.85 98.6,36.73 arc(98.61,36.69) 98.63,36.66 98.69,36.6
  Top w0.22: J10.B38 84.65,5.4 84.34,5.71 84.34,8.3 arc(84.72,10.21) 85.8,11.84 96.24,22.27 arc(98.05,24.99) 98.69,28.19 98.69,36.6
/FPGA MGT Interface/PCIE.RXD5_P: length 41.1
  Top w0.1: 98.31,36.6 98.37,36.66 arc(98.39,36.69) 98.4,36.73 98.4,37.96 arc(98.42,38.04) 98.46,38.1 98.6,38.24 arc(98.66,38.28) 98.74,38.3 98.86,38.3 arc(98.9,38.31) 98.93,38.33 98.97,38.37 arc(98.99,38.4) 99,38.44 U34.AD2
  Top w0.22: 98.31,36.6 98.31,28.19 arc(97.7,25.13) 95.97,22.54 85.54,12.1 arc(84.37,10.36) 83.96,8.3 83.96,5.71 83.65,5.4 J10.B37
/FPGA MGT Interface/PCIE.RXD6_N: length 42.5
  Top w0.1: 99.69,36.6 99.63,36.66 arc(99.61,36.69) 99.6,36.73 99.6,38.92 arc(99.64,39.01) 99.72,39.05 99.74,39.05 arc(99.83,39.09) 99.87,39.17 arc(99.83,39.26) 99.74,39.3 99.72,39.3 arc(99.64,39.34) 99.6,39.42 99.6,39.92 arc(99.61,39.96) 99.63,39.99 99.71,40.07 arc(99.74,40.09) 99.78,40.1 99.86,40.1 arc(99.9,40.09) 99.93,40.07 99.97,40.03 arc(99.99,40) 100,39.96 U34.AE3
  Top w0.22: J10.B42 88.65,5.4 88.34,5.71 88.34,9.2 arc(88.72,11.11) 89.8,12.74 98.14,21.07 arc(99.95,23.79) 100.59,26.99 100.59,32.91 arc(100.48,33.44) 100.19,33.88 99.98,34.09 arc(99.77,34.41) 99.69,34.79 99.69,36.6
/FPGA MGT Interface/PCIE.RXD6_P: length 42.5
  Top w0.1: U34.AE4 100,40.44 arc(99.99,40.4) 99.97,40.37 99.93,40.33 arc(99.9,40.31) 99.86,40.3 99.74,40.3 arc(99.66,40.28) 99.6,40.24 99.46,40.1 arc(99.42,40.04) 99.4,39.96 99.4,36.73 arc(99.39,36.69) 99.37,36.66 99.31,36.6
  Top w0.22: 99.31,36.6 99.31,34.79 arc(99.42,34.26) 99.71,33.82 99.92,33.61 arc(100.13,33.29) 100.21,32.91 100.21,26.99 arc(99.6,23.93) 97.87,21.34 89.54,13 arc(88.37,11.26) 87.96,9.2 87.96,5.71 87.65,5.4 J10.B41